# Altium PCB FMC_ADC_130M_16B_4CHv4.PcbDoc (part 7 of 8) (continued)
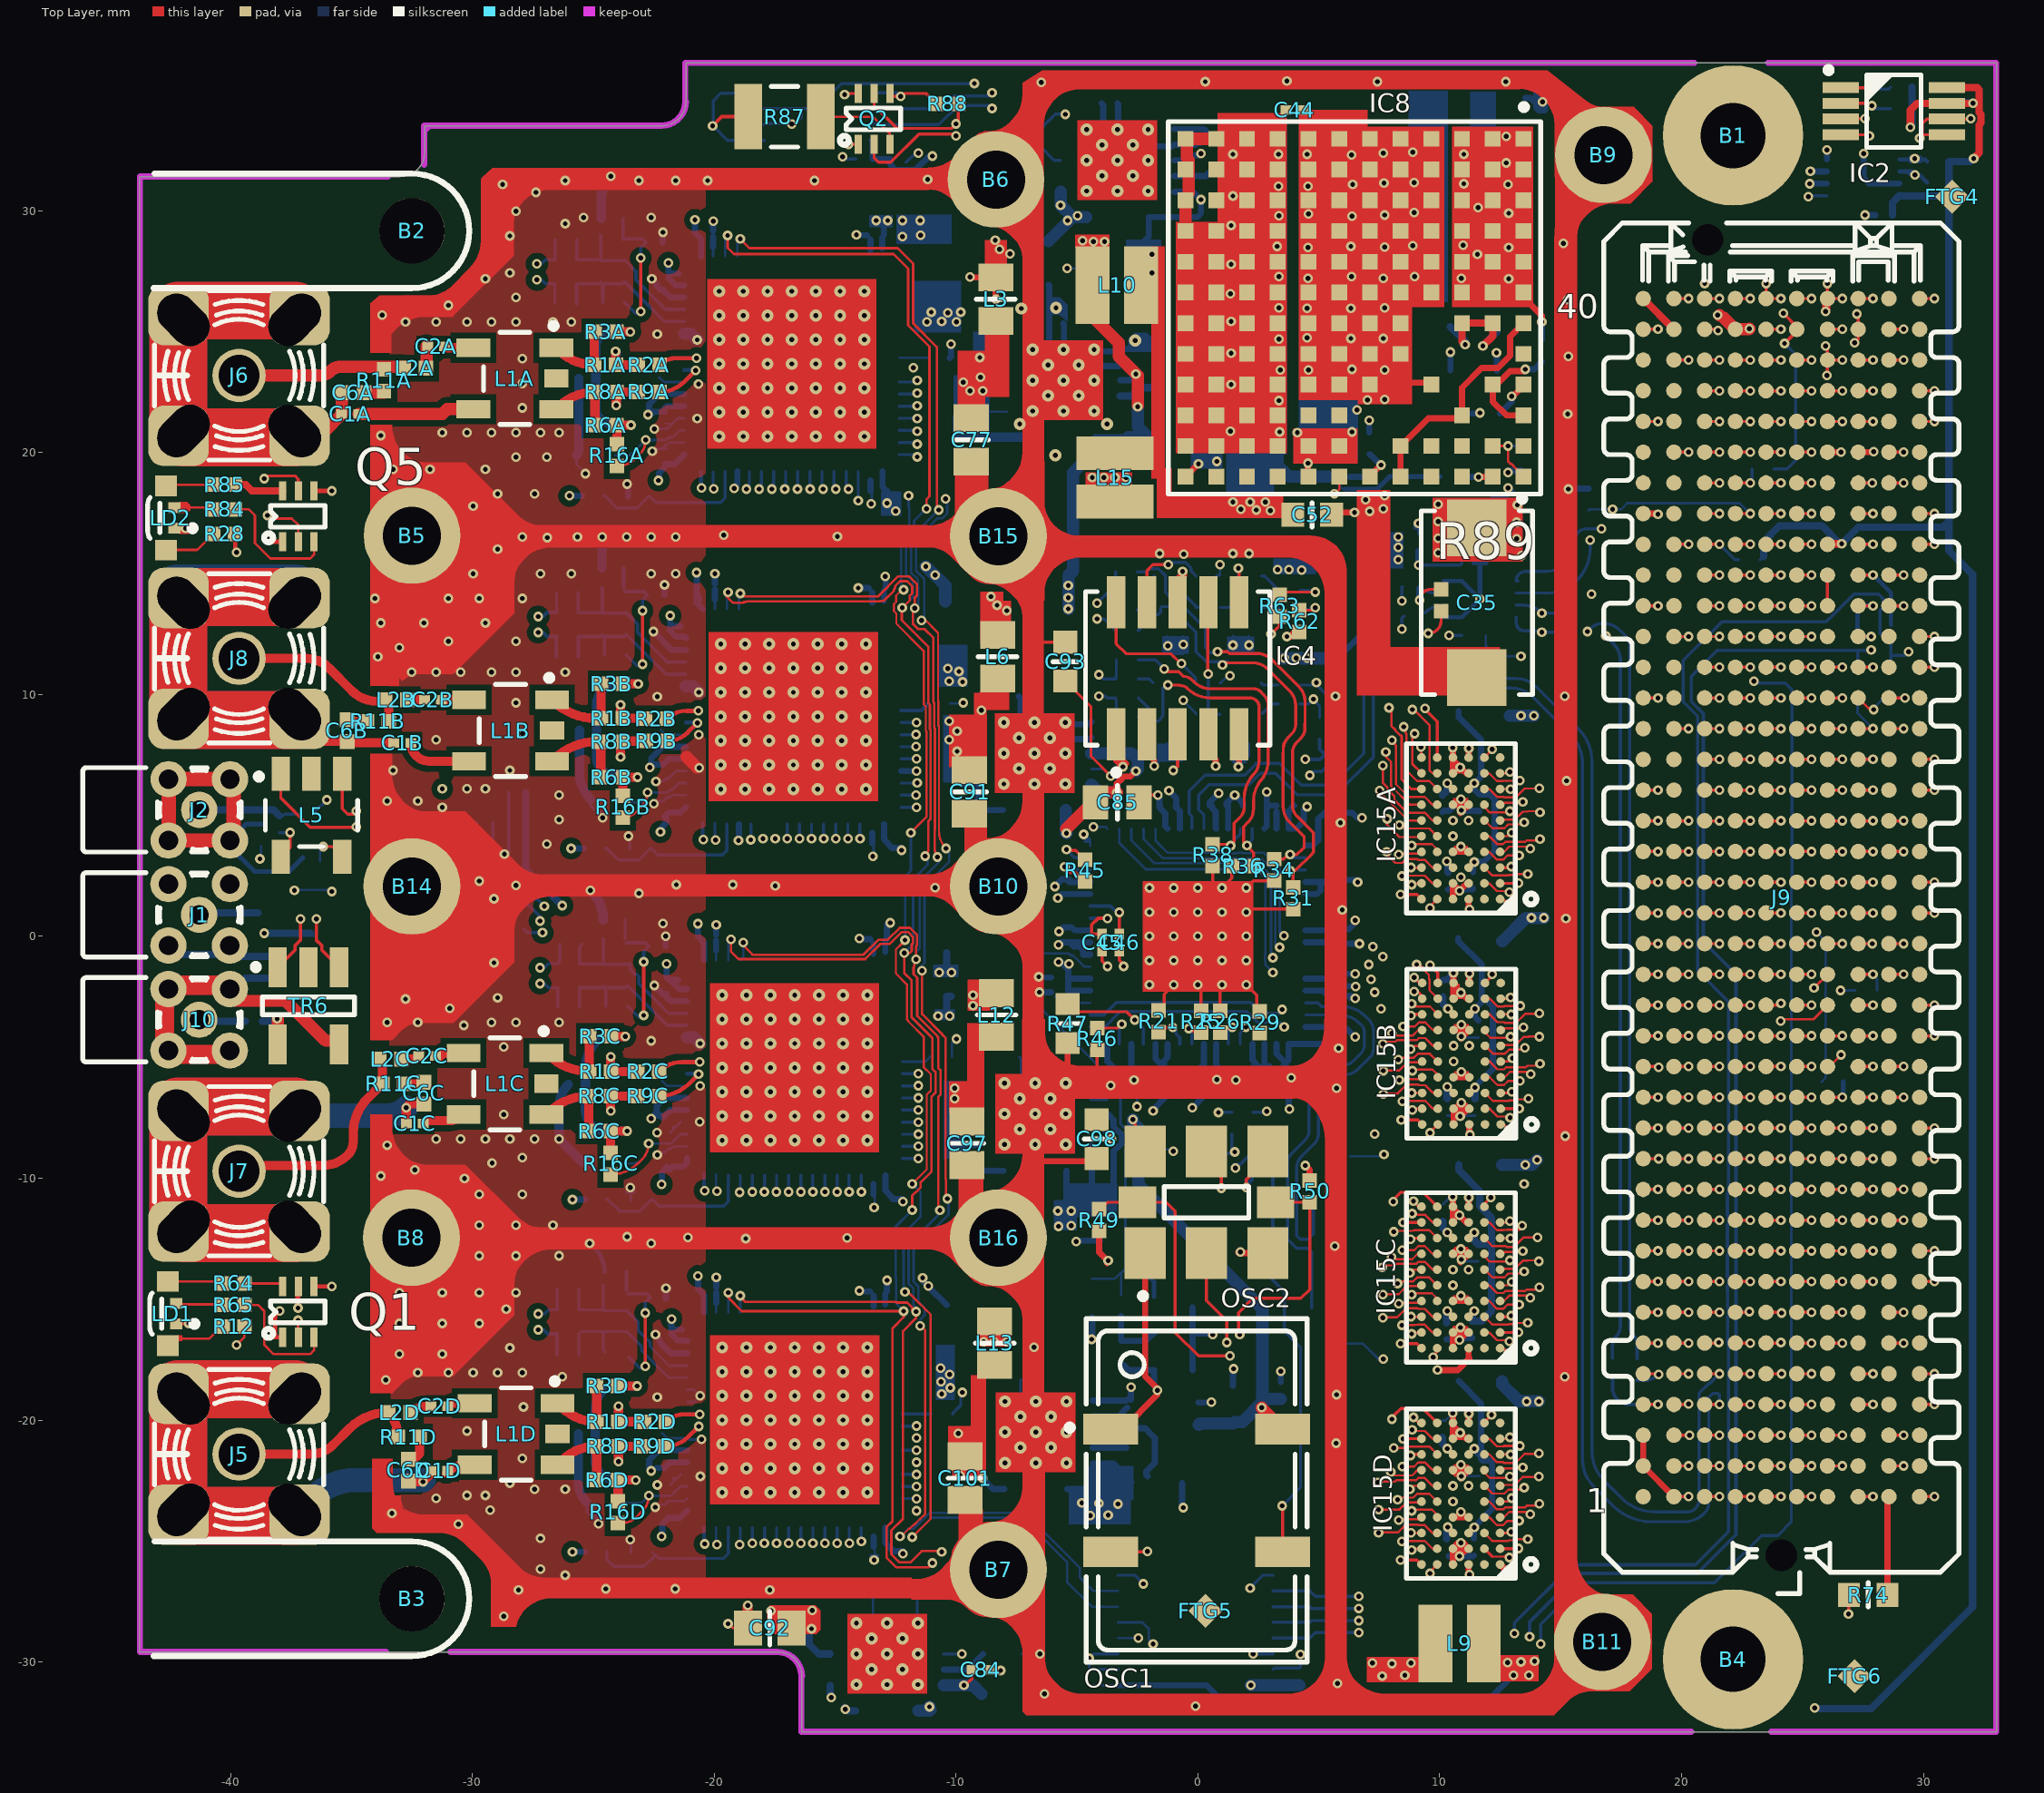
[diagram p0: Top Layer view]
## Nets (pads, with @x,y where several pads share a name; then routed paths per layer and width w, separated by ;. In a path a pad name is that pad's centre, name@x,y a point inside that pad or via, vN(x,y) a via of type N, cw(c..) or ccw(c..) an arc to the next point about the centre after c; other vN are vias at no path point) (continued)
RF_AUX_P: IC3.47 J3.1 | length 16.7
  Bottom Layer w0.127: IC3.47@4.45,-3.25 5.644,-3.25 cw(c5.644,-3.382) 5.738,-3.289 5.994,-3.289 cw(c5.994,-4.191) 6.632,-3.553 cw(c6.267,-4.029) 6.691,-3.605 6.785,-3.699 ; J3.1@4.698,-15.367 4.698,-13.055 4.547,-12.903 4.084,-12.903 3.708,-12.528 3.708,-9.357 cw(c4.223,-9.357) 3.859,-8.994 4.441,-8.411 ccw(c4.064,-8.034) 4.597,-8.034 4.597,-6.035 cw(c5.076,-6.035) 4.737,-5.697 4.938,-5.496 cw(c5.329,-5.888) 5.329,-5.334 5.988,-5.334 ccw(c5.988,-4.706) 6.432,-5.15 6.732,-4.85 ccw(c6.367,-4.485) 6.883,-4.485 6.883,-3.937 ccw(c6.546,-3.937) 6.785,-3.699
SCL: IC5.6 J9.c30 R42.2 R44.1 | length 22.1
  Top Layer w0.127: J9.c30@27.303,13.665 v1(27.915,13.665)
  L5 w0.178: v1@29.591,31.42 v1(29.65,31.479)
  L3 w0.178: v1(27.915,13.665) 27.915,14.173 28.6,14.859 28.6,15.261 28.753,15.414 28.753,30.988 29.185,31.42 v1@29.591,31.42 ; v1@29.642,31.42 v1@29.591,31.42 ; v1(29.65,31.479) v1@29.591,31.42
  Bottom Layer w0.178: R42.2@27.254,12.718 27.28,12.744 27.28,13.386 27.559,13.665 v1(27.915,13.665) ; IC5.6@29.008,31.619 v1@29.544,31.619 ; v1(29.65,31.479) 29.844,31.479 R44.1@30.157,31.166
SDA: IC5.5 J9.c31 R39.2 R43.1 | length 22.5
  Top Layer w0.127: J9.c31@27.303,14.935 v1(27.915,14.935)
  L3 w0.178: v1(27.915,14.935) 28.473,15.494 28.473,31.699 28.931,32.156 v1(29.642,32.156)
  Bottom Layer w0.178: v1(27.915,14.935) 28.651,14.199 R39.2@28.651,12.871 ; IC5.5@29.008,32.119 30.067,32.119 R43.1@30.157,32.029
SHDN_ON_OFF: IC1A.19 IC1B.19 IC1C.19 IC1D.19 IC14.4 | length 108.4
  Top Layer w0.102: v1@-19.482,14.043 -19.234,13.795 -18.802,13.795 -18.78,13.818 -18.694,13.818 -18.666,13.846 -13.144,13.846 -13.122,13.868 -12.984,13.868 -12.57,14.283 -12.57,14.353 -12.519,14.403 -12.519,14.472 -12.313,14.678 -12.021,14.678 -11.814,14.472 -11.814,14.18 -11.913,14.081 -11.913,13.899 v1(-12.225,13.586) ; v1@-19.482,14.148 -19.431,14.199 v1(-19.431,14.224) ; v1(-19.447,28.972) -19.447,28.464 -19.185,28.202 -12.581,28.202 -11.982,27.603 -11.982,25.262 -11.1,24.38 -11.1,18.186 -11.227,18.059 v1(-11.227,17.678) ; v1(-19.418,-14.732) -19.418,-14.943 -18.865,-15.497 v1(-12.17,-15.497) -12.17,-15.748 -12.624,-16.202 -12.624,-24.173 -12.875,-24.424 -12.875,-24.474 -12.878,-24.478 -12.878,-25.637 -12.875,-25.64 -12.875,-25.691 -12.483,-26.083 -12.398,-26.083 -12.395,-26.086 -11.151,-26.086 v1(-10.973,-25.908) ; v1(-19.304,-0.127) -19.304,-0.635 -18.999,-0.94 -13.756,-0.94 -13.134,-0.318 -12.744,-0.318 -12.251,0.175 -11.98,0.175 -11.789,-0.017 -11.789,-0.288 -11.834,-0.333 -11.834,-0.608 -11.913,-0.686 v1(-12.141,-0.686) -12.141,-1.524 -11.836,-1.829 -11.836,-3.353 -10.973,-4.216 -10.973,-5.492 -10.847,-5.618 -10.847,-6.459 -11.014,-6.625 -11.014,-9.716 -11.461,-10.163 -11.461,-10.383 -11.668,-10.59 -11.687,-10.59 -11.814,-10.716 v1(-11.814,-11.318) ; v1@-12.242,13.586 -12.242,13.067 -11.142,11.968 -11.142,9.632 -11.081,9.571 -11.081,8.555 -11.055,8.529 -11.055,4.857 -11.142,4.77 -11.142,3.644 cw(c-11.61,3.644) -11.149,3.567 cw(c-11.61,3.644) -11.174,3.474 cw(c-11.61,3.644) v1(-11.279,3.313)
  L5 w0.102: v1(-10.973,-25.908) -10.973,-26.365 -9.144,-28.194 -2.794,-28.194 -2.464,-28.524 v1(-2.464,-29.007)
  Bottom Layer w0.102: IC1A.19@-19.544,28.116 v1@-19.544,28.843 ; IC1B.19@-19.475,13.536 -19.475,14.141 -19.482,14.148 -19.431,14.199 v1(-19.431,14.224) ; IC1C.19@-19.423,-0.982 -19.423,-0.246 v1(-19.304,-0.127) ; IC1D.19@-19.42,-15.547 -19.42,-14.743 -19.431,-14.732 v1(-19.418,-14.732) ; v1(-12.225,13.586) -11.78,14.032 -11.78,14.669 -12.065,14.954 -12.065,16.569 -11.737,16.897 -11.737,17.169 v1(-11.227,17.678) ; v1(-12.17,-15.497) -12.481,-15.186 -12.481,-14.12 -12.5,-14.1 -12.497,-14.097 -12.497,-12.001 v1(-11.814,-11.318) ; v1(-12.141,-0.686) -12.141,-0.676 -11.775,-0.31 -11.775,2.35 -11.174,2.951 v1@-11.174,3.16 ; IC14.4@-3.302,-29.013 -2.47,-29.013 v1(-2.464,-29.007)
TDI: J9.d30 J9.d31 | length 1.3
  Top Layer w0.127: J9.d30@26.033,13.665 J9.d31@26.033,14.935
VADJ: C39.2 IC14.16 J9.e39 J9.f40 J9.g39 J9.h40 L14A.2 L14B.2 L14C.2 L14D.2 R78.1 | length 19.5
  Top Layer w0.127: J9.h40@20.953,26.365 v1(21.565,26.365) ; v1(23.493,26.987) J9.f40@23.493,26.365 v1(24.105,26.365) ; v1(24.206,25.756) 24.763,25.199 J9.e39@24.763,25.095 24.763,25.017 v1(24.257,24.511)
  Top Layer w0.508: v1@21.565,25.679 v1@21.588,25.656 ; 21.754,25.564 J9.g39@22.223,25.095 22.784,25.095 v1(22.809,25.121)
  Bottom Layer w0.127: R78.1@23.818,19.329 24.359,19.329 24.714,19.685 24.714,24.054 v1(24.257,24.511)
  Bottom Layer w0.508: v1(2.184,-30.963) 2.19,-30.957 C39.2@4.191,-30.957 ; L14D.2@12.584,-18.39 12.584,-18.528 13.284,-19.228 v1(14.097,-19.228) ; L14C.2@12.584,-9.449 13.818,-9.449 v1(14.021,-9.246) ; L14B.2@12.584,-0.203 12.598,-0.203 13.564,0.762 v1(14.3,0.762) ; L14A.2@12.903,9.119 v1(13.894,9.119)
  other v1: 13.589,-19.228 13.538,-9.449 13.792,0.762 13.36,9.119 21.488,25.679 20.953,26.987
VCMA: C12A.2 IC1A.3 R16A.2 | length 5
  Top Layer w0.102: R16A.2@-24.028,19.438 -24.021,19.438 ccw(c-24.021,20.541) -23.241,19.761 -23.086,19.916 ccw(c-23.693,20.523) v1(-22.835,20.523)
  Bottom Layer w0.102: C12A.2@-24.092,19.888 -23.47,19.888 v1(-22.835,20.523) -22.83,20.518 -22.009,20.518 -21.909,20.619 -21.819,20.619 -21.805,20.634 -21.72,20.634 -21.438,20.916 IC1A.3@-21.244,20.916
VCMB: C12B.2 IC1B.3 R16B.2 | length 6
  Top Layer w0.102: R16B.2@-23.774,4.909 ccw(c-23.774,5.663) -23.242,5.13 -23.005,5.367 ccw(c-23.592,5.955) v1(-22.761,5.955)
  Bottom Layer w0.102: C12B.2@-23.673,5.537 -22.938,5.537 -22.841,5.634 -22.841,5.638 -22.761,5.717 v1(-22.761,5.955) -22.757,5.95 -21.936,5.95 -21.847,6.039 -21.847,6.051 -21.746,6.051 -21.449,6.347 IC1B.3@-21.171,6.347 ; -22.408,5.939 -21.952,5.939 -21.851,6.04 -21.75,6.04 -21.454,6.336 IC1B.3@-21.175,6.336
VCMC: C12C.2 IC1C.3 R16C.2 | length 5.3
  Top Layer w0.102: R16C.2@-24.282,-9.848 ccw(c-24.282,-8.236) -23.143,-9.376 -22.976,-9.209 ccw(c-23.622,-8.563) v1(-22.709,-8.563)
  Bottom Layer w0.102: C12C.2@-23.584,-9.398 -23.432,-9.398 ccw(c-23.432,-8.754) -22.976,-9.209 ccw(c-23.622,-8.563) v1(-22.709,-8.563) -21.782,-8.563 -21.4,-8.182 IC1C.3@-21.123,-8.182 ; IC1C.3@-21.123,-8.171 IC1C.3@-21.118,-8.171
VCMD: C12D.2 IC1D.3 R16D.2 | length 5.4
  Top Layer w0.102: R16D.2@-23.978,-24.25 -23.776,-24.25 ccw(c-23.776,-23.494) -23.241,-24.028 -22.964,-23.751 ccw(c-23.587,-23.128) v1(-22.706,-23.128)
  Bottom Layer w0.102: C12D.2@-23.66,-23.419 -22.996,-23.419 v1(-22.706,-23.128) -21.787,-23.128 -21.702,-23.043 ; IC1D.3@-21.12,-22.747 -21.398,-22.747 -21.695,-23.043 -21.702,-23.043 ; IC1D.3@-21.116,-22.736 -21.394,-22.736 -21.702,-23.043
VCXO_OUT_N: C46.2 R52.1 R73.2 | length 13.2
  Top Layer w0.135: C46.2@-3.246,-0.604 -3.246,-0.994 -3.073,-1.167 v1(-3.073,-1.245)
  L5 w0.127: v1(-3.073,-1.245) -3.209,-1.38 -3.209,-1.812 -3.371,-1.974 ccw(c-2.393,-2.953) -3.777,-2.953 -3.777,-3.771 ccw(c-2.989,-3.771) -3.546,-4.328 ccw(c-2.712,-3.494) -2.712,-4.674 -2.421,-4.674 cw(c-2.421,-5.759) -1.653,-4.991 -1.387,-5.258 cw(c-2.22,-6.091) -1.042,-6.091 -1.042,-6.694 ccw(c0.397,-6.694) -0.62,-7.711 0.385,-8.717 ccw(c0.865,-8.237) 0.865,-8.915 v1(1.524,-8.915)
  Bottom Layer w0.135: R73.2@0.965,-8.973 1.466,-8.973 v1(1.524,-8.915) 1.397,-8.788 R52.1@1.397,-8.172
VCXO_OUT_P: C45.2 R30.1 R51.2 R72.2 | length 15.5
  Top Layer w0.135: C45.2@-3.958,-0.604 -3.958,-1.021 v1(-3.734,-1.245)
  L5 w0.127: v1(-3.734,-1.245) -3.598,-1.38 -3.598,-1.651 -3.758,-1.811 ccw(c-2.774,-2.795) -4.166,-2.795 -4.166,-3.637 ccw(c-2.666,-3.637) -3.726,-4.698 -3.709,-4.715 ccw(c-2.87,-3.875) -2.87,-5.063 -2.401,-5.063 cw(c-2.401,-5.739) -1.923,-5.261 -1.656,-5.527 cw(c-2.22,-6.091) -1.423,-6.091 -1.423,-6.871 ccw(c-0.003,-6.871) -1.007,-7.874 ; -1.007,-7.874 0.11,-8.992 ccw(c0.865,-8.237) 0.865,-9.304 1.175,-9.304 1.308,-9.437 1.512,-9.437 1.549,-9.474 v1(1.549,-9.576)
  Bottom Layer w0.135: v1(1.549,-9.576) 1.499,-9.525 1.499,-9.437 1.74,-9.437 R72.2@2.204,-8.973 ; R30.1@2.286,-8.172 2.286,-8.891 R72.2@2.204,-8.973 ; R51.2@3.099,-8.999 3.073,-8.973 R72.2@2.235,-8.973 R72.2@2.204,-8.973
VIO_B_M2C: J9.j39 J9.k40 | length 1.8
  Top Layer w0.305: J9.k40@18.413,26.365 J9.j39@19.683,25.095
VREF_A_M2C: J9.h1 | length 0.6
  Top Layer w0.127: J9.h1@20.953,-23.165 v1(21.565,-23.165)
pads on no net: B2.1 B3.1 FTG1.1 FTG2.1 FTG3.1 FTG4.1 FTG5.1 FTG6.1 IC1A.21 IC1A.22 IC1A.23 IC1A.24 IC1A.25 IC1A.26 IC1A.27 IC1A.28 IC1A.29 IC1A.30 IC1A.33 IC1A.34 IC1A.35 IC1A.36 IC1A.37 IC1A.38 IC1A.39 IC1B.21 IC1B.22 IC1B.23 IC1B.24 IC1B.25 IC1B.26 IC1B.27 IC1B.28 IC1B.29 IC1B.30 IC1B.33 IC1B.34 IC1B.35 IC1B.36 IC1B.37 IC1B.38 IC1B.39 IC1C.21 IC1C.22 IC1C.23 IC1C.24 IC1C.25 IC1C.26 IC1C.27 IC1C.28 IC1C.29 IC1C.30 IC1C.33 IC1C.34 IC1C.35 IC1C.36 IC1C.37 IC1C.38 IC1C.39 IC1D.21 IC1D.22 IC1D.23 IC1D.24 IC1D.25 IC1D.26 IC1D.27 IC1D.28 IC1D.29 IC1D.30 IC1D.33 IC1D.34 IC1D.35 IC1D.36 IC1D.37 IC1D.38 IC1D.39 IC3.38 IC3.39 IC3.42 IC3.43 IC6.2 IC6.4 IC6.5 IC6.6 IC6.9 IC6.10 IC6.17 IC6.18 IC6.19 IC7.2 IC7.4 IC7.5 IC7.6 IC7.9 IC7.10 IC7.17 IC7.18 IC7.19 IC8.A8 IC8.A11 IC8.C11 IC8.C12 IC8.D11 IC8.D12 IC8.G10 IC8.H10 IC8.J12 IC8.K12 IC8.L12 IC9.2 IC9.4 IC9.5 IC9.6 IC9.9 IC9.10 IC9.17 IC9.18 IC9.19 IC10.2 IC10.4 IC10.5 IC10.6 IC10.8 IC10.9 IC10.11 IC10.12 IC10.17 IC10.18 IC10.19 IC11.2 IC11.4 IC11.5 IC11.6 IC11.9 IC11.10 IC11.17 IC11.18 IC11.19 IC12.2 IC12.4 IC12.5 IC12.6 IC12.9 IC12.10 IC12.17 IC12.18 IC12.19 IC15A.A2 IC15A.K1 IC15B.A2 IC15B.K1 IC15C.A2 IC15C.K1 IC15D.A2 IC15D.K1 IC16.5 IC16.7 IC16.16 J9.1 J9.2 J9.a2 J9.a3 J9.a6 J9.a7 J9.a10 J9.a11 J9.a14 J9.a15 J9.a18 J9.a19 J9.a22 J9.a23 J9.a26 J9.a27 J9.a30 J9.a31 J9.a34 J9.a35 J9.a38 J9.a39 J9.b4 J9.b5 J9.b8 J9.b9 J9.b12 J9.b13 J9.b16 J9.b17 J9.b20 J9.b21 J9.b24 J9.b25 J9.b28 J9.b29 J9.b32 J9.b33 J9.b36 J9.b37 J9.b40 J9.c2 J9.c3 J9.c6 J9.c7 J9.d1 J9.d4 J9.d5 J9.d29 J9.d33 J9.d34 J9.k1 L1A.2 L1B.2 L1C.2 L1D.2 L5.2 TR2.2 TR2.7 TR3.2 TR3.7 TR4.2 TR4.7 TR5.2 TR5.7 TR6.2

## Polygon pours and split planes (outlines as drawn)
GND on L3 "gnd L3" (solid, pour order 8): 22 vertices, not listed, extent -19.69,-32.625 32.694,35.773
GND on L3 "Top Layer-No Net" (hatched 90Degree grid 0.178 track 0.203, remove dead copper, pour order 2): 39 vertices, not listed, extent -43.384,-27.411 -20.407,31.8
no net on Bottom Overlay "Top Layer-No Net" (solid): -43.256,-29.362 -43.383,-29.235 -43.383,31.445 -32.454,31.445 -31.997,31.902 -31.997,33.514 -27.088,33.514 -27.076,33.503 -27.026,33.452 -27.026,15.9 -27.026,-29.616 -27.076,-29.667 -27.483,-29.261 -43.383,-29.261
no net on Bottom Overlay "Top Layer-No Net" (solid): 20.295,-8.954 26.187,-8.954 26.187,-16.167 20.295,-16.167
no net on Bottom Overlay "Top Layer-No Net" (solid): 33.003,36.114 14.178,36.114 14.046,36.246 14.046,-32.918 32.971,-32.918 33.003,-32.886
GND on Top Layer "Top Layer-No Net" (solid, pour order 9): 43 vertices, not listed, extent -33.502,-27.048 -20.362,31.349
GND on GND1 (split plane): 125 vertices, not listed, extent -43.246,-32.38 32.518,35.599
GND on GND2 (split plane): 123 vertices, not listed, extent -43.246,-32.38 32.518,35.599
GND on GND3 (split plane): 122 vertices, not listed, extent -43.246,-32.38 32.518,35.599
P12V0 on POWER (split plane): 68 vertices, not listed, extent 9.806,14.988 29.716,34.364
P4V0 on POWER (split plane): 20 vertices, not listed, extent -2.995,16.029 9.599,34.364
P3V3_CLK on POWER (split plane): 34 vertices, not listed, extent 4.777,10.687 14.044,18.541
NetC78_2 on POWER (split plane): 48 vertices, not listed, extent -10.598,14.353 4.57,34.364
P4V0_1 on POWER (split plane): 17 vertices, not listed, extent -6.323,2.619 -2.136,15.314
VADJ on POWER (split plane): 54 vertices, not listed, extent 1.094,-31.24 24.636,27.455
P4V0_2 on POWER (split plane): 133 vertices, not listed, extent -7.186,-24.842 11.885,20.801
NetC84_2 on POWER (split plane): 23 vertices, not listed, extent -13.155,-32.38 11.537,-28.958
P3V3_CLK on POWER (split plane): 61 vertices, not listed, extent -6.323,-21.385 7.11,14.12
NetC19D_2 on POWER (split plane): -10.571,-14.442 -10.571,-15.603 -11.785,-16.818 -11.808,-16.851 -11.815,-16.891 -11.815,-26.373 -12.017,-26.574 -13.21,-26.574 -13.488,-26.297 -13.488,-15.85 -13.488,-13.911 -12.99,-13.413 -11.6,-13.413
P3V3_ADC2 on POWER (split plane): 56 vertices, not listed, extent -26.193,2.771 -7.597,17.118
P3V3_ADC1 on POWER (split plane): 55 vertices, not listed, extent -26.262,17.35 -7.393,31.697
NetC19C_2 on POWER (split plane): -9.832,-0.037 -9.832,-1.465 -11.788,-3.421 -11.81,-3.455 -11.818,-3.494 -11.818,-11.747 -13.491,-11.747 -13.491,-1.285 -13.491,0.654 -12.992,1.152 -11.021,1.152
NetC19A_2 on POWER (split plane): -10.695,29.802 -10.695,28.059 -11.91,26.845 -11.932,26.811 -11.94,26.772 -11.94,17.35 -13.612,17.35 -13.612,27.813 -13.612,29.751 -13.114,30.249 -11.143,30.249
NetC19B_2 on POWER (split plane): -10.626,15.222 -10.626,13.48 -11.841,12.265 -11.863,12.232 -11.871,12.192 -11.871,2.807 -13.543,2.807 -13.543,13.233 -13.543,15.172 -13.045,15.67 -11.074,15.67
P1V8 on POWER (split plane): 239 vertices, not listed, extent -18.159,-32.38 11.885,27.844
P3V3 on POWER (split plane): 170 vertices, not listed, extent -43.246,-32.38 32.518,35.599
P3V3_ADC3 on POWER (split plane): 51 vertices, not listed, extent -26.14,-11.747 -7.246,2.6
GND on POWER (split plane): 134 vertices, not listed, extent -43.246,-29.08 -18.366,31.836
P3V3_ADC4 on POWER (split plane): 49 vertices, not listed, extent -26.137,-26.16 -7.47,-11.965

## Keep-outs
Keep-Out Layer:
  lines w0.254: -33.573,-29.586 -43.747,-29.586 -43.747,31.414 -33.483,31.414 ; -31.997,31.902 -31.997,33.514 -22.197,33.514 ccw(c-22.197,34.514) -21.197,34.514 -21.197,36.114 20.529,36.114 ; -31.972,33.306 -31.768,33.51 -22.172,33.51 ccw(c-22.172,34.51) -21.172,34.51 ; -30.906,-29.586 -17.397,-29.586 cw(c-17.397,-30.586) -16.397,-30.586 -16.397,-32.886 20.402,-32.886 ; -17.372,-29.59 cw(c-17.372,-30.59) -16.372,-30.59 ; 23.577,36.114 33.003,36.114 33.003,-32.886 23.704,-32.886

## Other copper
Top Layer:
  rectangle net GND: 6.562,11.834 7.952,18.458
  rectangle net P4V0: -1.092,17.297 3.531,18.212
  rectangle net P4V0: -1.702,17.297 -1.092,19.355
  rectangle net P4V0: -1.93,18.923 -1.372,28.524
  rectangle net GND: -9.652,3.378 -8.712,4.877
  rectangle net GND: -4.978,30.429 -1.676,33.731
  rectangle net GND: -7.214,21.336 -3.912,24.638
  rectangle net GND: -8.407,5.918 -5.105,9.22
  rectangle net GND: -8.382,-8.992 -5.08,-5.69
  rectangle net GND: -8.357,-22.149 -5.055,-18.847
  rectangle net GND: -14.503,-31.318 -11.201,-28.016
  rectangle net GND: -20.17,-23.497 -13.17,-16.497
  rectangle net GND: -20.173,-8.932 -13.173,-1.932
  rectangle net GND: -20.225,5.586 -13.225,12.586
  rectangle net GND: -20.294,20.166 -13.294,27.166
  rectangle net GND: -10.048,17.323 -8.661,19.473
  rectangle net NetC91_2: -9.256,8.839 -8.738,10.069
  rectangle net P3V3_ADC2: -8.992,13.818 -8.052,14.249
  rectangle net P3V3_ADC2: -8.992,12.09 -7.722,13.868
  rectangle net P3V3_ADC3: -9.525,-3.073 -8.306,-1.778
  rectangle net NetC97_2: -10.287,-7.315 -9.373,-5.994
  rectangle net NetC97_2: -9.55,-7.315 -8.839,-3.581
  rectangle net P3V3: 11.735,-30.81 14.097,-29.718
  rectangle net NetC84_2: 6.985,-30.836 10.439,-29.794
  rectangle net P4V0_1: -5.08,28.448 -3.658,29.007
  rectangle net GND: -9.906,-25.07 -8.89,-23.673
  rectangle net NetC101_2: -10.16,-22.352 -9.296,-21.971
  rectangle net NetC101_2: -10.338,-21.412 -9.347,-20.244
  rectangle net NetC101_2: -9.398,-22.301 -8.763,-18.136
  rectangle net P3V3_ADC4: -9.119,-16.967 -7.696,-16.408
  rectangle net GND: 6.566,9.954 12.502,11.964
  rectangle net P12V0: 9.703,15.494 13.437,18.136
  rectangle net NetC77_2: -8.814,22.301 -7.798,25.324
  rectangle net NetC77_2: -9.931,21.565 -8.788,24.206
  rectangle net P3V3_ADC1: -8.814,27.737 -7.899,28.778
  rectangle net NetC91_2: -10.287,6.985 -8.719,9.169
  rectangle net NetC91_2: -8.948,9.347 -7.798,10.744
  rectangle net P4V0: -0.914,19.964 3.683,29.54
  rectangle net P4V0: 0.813,29.54 3.683,34.036
  rectangle net GND: 6.604,21.996 8.865,33.477
  rectangle net GND: 8.865,26.01 10.185,33.477
  rectangle net P12V0: 10.516,26.01 13.868,33.477
  rectangle net P4V0_2: -4.648,18.669 -2.718,19.177
  rectangle net GND: -2.286,-2.286 2.286,2.286
  rectangle net GND: -9.906,-11.557 -8.87,-9.398
  rectangle net GND: 4.166,22.174 7.01,34.163
  rectangle net GND: 3.937,19.533 6.604,21.006
  rectangle net GND: 10.683,-24.009 11.064,-23.776
  rectangle net GND: 10.933,-22.023 11.206,-21.834
  rectangle net GND: 10.544,-20.829 10.997,-20.519
  rectangle net GND: 10.536,-15.087 11.211,-14.835
  rectangle net GND: 10.606,-5.827 11.198,-5.582
  rectangle net GND: 10.588,-3.86 11.21,-3.617
  rectangle net GND: 10.559,-2.576 10.835,-1.96
  rectangle net GND: 10.59,3.459 11.167,3.743
  rectangle net GND: 10.549,5.444 11.178,5.712
  region net ACTIVE4_CLK_N: -0.324,-3.678 -0.32,-3.681 -0.128,-3.681 -0.128,-3.768 -0.185,-3.825 -0.186,-3.824 -0.275,-3.824
  region net P3V3: 26.143,26.192 26.143,25.896 26.059,25.811 26.053,25.817 25.897,25.817 25.82,25.894 25.82,26.16
  region net B_CLKOUTAD: 12.519,-26.026 12.66,-26.026 12.723,-26.089 12.708,-26.104 12.708,-26.254 12.679,-26.283 12.63,-26.283 12.476,-26.129
  region net ACTIVE3_CLK_P: 4.041,12.575 3.974,12.508 3.974,12.359 3.973,12.359 3.894,12.28 3.893,12.281 3.782,12.281 3.782,12.481 3.825,12.524
  region net GND: 10.552,-25.526 11,-25.526 11.218,-25.308 11.218,-25.142 11.033,-24.957 10.712,-24.957 10.534,-25.135 10.534,-25.344
  region net GND: 10.946,-21.836 10.954,-21.844 10.954,-22.32 10.867,-22.32 10.792,-22.395 10.735,-22.338 10.61,-22.338 10.492,-22.22 10.492,-21.943 10.608,-21.826 10.894,-21.826
  region net GND: 10.561,-20.081 10.582,-20.081 11.181,-20.68 11.181,-20.773 10.561,-20.773 10.544,-20.757
  region net GND: 10.531,-16.363 10.531,-16.151 10.577,-16.105 11.11,-16.105 11.194,-16.189 11.194,-16.433 11.007,-16.62 10.613,-16.62
  region net GND: 10.544,-13.118 10.544,-12.93 10.623,-12.851 11.129,-12.851 11.21,-12.933 11.21,-13.143
  region net GND: 10.75,-2.579 10.979,-2.579 11.066,-2.492 11.066,-2.32 10.825,-2.08 10.697,-2.08 10.697,-2.547 10.717,-2.568
  region net GND: 10.584,-7.022 10.584,-7.01 10.725,-6.869 10.726,-6.871 11.115,-6.871 11.235,-6.991 11.235,-7.169 11.227,-7.169 11.036,-7.36 10.684,-7.36
  region net GND: 10.577,-11.245 10.721,-11.245 10.836,-11.36 10.836,-11.617 10.825,-11.617 10.687,-11.755 10.684,-11.752 10.6,-11.752
  region net GND: 10.592,-20.252 10.602,-20.242 10.721,-20.242 10.857,-20.378 10.743,-20.493 10.607,-20.493
  region net NetC91_2: -8.818,10.171 -8.96,10.029 -9.019,10.029 -9.019,10.088 -8.999,10.108
  region net P3V3: -42.13,17.098 -41.759,17.098 -41.652,16.991 -41.652,16.737 -41.741,16.647 -42.115,16.647
  region net NetLD2_3: -42.106,17.95 -42.105,17.949 -41.788,17.949 -41.671,17.832 -41.671,17.614 -41.79,17.496 -42.116,17.496 -42.139,17.519
  region net GND: -18.42,-27.657 -18.42,-27.962 -18.443,-27.985 -18.445,-27.983 -18.735,-27.983 -18.817,-27.901 -18.817,-27.652
  region net P1V8: -17.649,-27.656 -17.643,-27.662 -15.812,-27.662 -15.609,-27.865 -15.609,-27.866 -15.609,-28.672 -15.786,-28.85 -17.557,-28.85 -17.8,-28.606 -17.8,-27.99
  region net GND: -0.571,15.088 -0.463,14.98 -0.463,14.868 -0.755,14.868 -0.807,14.921
  region net GND: 10.553,6.753 10.56,6.746 10.918,6.746 10.933,6.76 10.93,6.764 10.93,7.148 10.852,7.148 10.66,7.341 10.575,7.341 10.575,6.772 10.557,6.754
  region net NetLD1_1: -42.205,-16.495 -42.203,-16.497 -42.009,-16.497 -42.009,-16.717 -42.011,-16.719 -42.2,-16.719
  region net GND: 14.753,28.955 14.746,28.948 14.746,-29.784 cw(c13.185,-29.784) 14.289,-30.888 cw(c13.257,-29.856) 13.257,-31.315 7.983,-31.315 cw(c7.932,-31.362) 8.001,-31.362 8.001,-32.207 14.687,-32.207 14.691,-32.211 15.254,-31.648 cw(c16.309,-32.704) 16.309,-31.211 17.853,-31.211 18.778,-30.286 18.778,-28.011 17.983,-27.216 17.018,-27.216 cw(c17.018,-26.051) 16.194,-26.875 16.15,-26.831 cw(c17.275,-25.706) 15.684,-25.706 15.684,29.097 15.681,29.1 14.76,29.1 14.753,29.107
  region net GND: -3.389,15.664 3.69,15.664 cw(c3.69,14.038) 4.84,15.188 cw(c3.859,14.207) 5.247,14.207 5.247,-3.43 5.248,-3.429 6.147,-3.429 6.147,15.119 ccw(c4.721,15.119) 5.729,16.128 ccw(c4.687,15.085) 4.687,16.559 -3.377,16.559 -3.378,16.561 -3.378,15.672
  region net GND: -31.813,26.489 ccw(c-31.813,27.855) -30.847,26.889 -30.142,27.594 ccw(c-31.337,28.789) -29.647,28.789 -29.647,31.243 cw(c-29.476,31.243) -29.597,31.364 -29.407,31.364 ccw(c-29.407,31.449) -29.347,31.389 cw(c-29.588,31.148) -29.247,31.148 -29.247,28.472 cw(c-29.93,28.472) -29.447,27.989 -30.752,26.684 cw(c-31.947,27.879) -31.947,26.189 -32.747,26.189 -32.747,26.414
  region net GND: 14.753,28.955 14.757,29.134 14.783,29.413 14.757,33.325 14.757,33.563 ccw(c13.37,33.563) 14.351,34.544 14.264,34.631 ccw(c13.31,33.678) 13.31,35.027 -4.876,35.027 ccw(c-4.876,33.552) -5.918,34.595 -5.944,34.569 ccw(c-4.904,33.528) -6.375,33.528 -7.188,33.528 -7.188,34.711 ccw(c-7.275,34.711) -7.214,34.773 cw(c-7.152,34.834) -7.239,34.834 -7.239,35.281 -6.447,35.789 14.453,35.789 15.94,34.631 ccw(c16.764,35.455) 16.764,34.29 18.034,34.29 ccw(c18.095,34.29) 18.052,34.247 18.796,33.503 18.796,31.242 cw(c18.735,31.242) 18.778,31.199 17.882,30.302 17.207,30.302 ccw(c17.207,28.741) 16.104,29.845 15.995,29.736 ccw(c16.776,28.956) 15.672,28.956
  region net GND: -3.378,15.672 -4.778,15.672 ccw(c-4.778,14.024) -5.944,15.189 ccw(c-4.962,14.208) -6.35,14.208 -6.35,13.894 -6.756,13.894 -6.756,19.634 -6.35,19.634 -6.35,17.974 ccw(c-4.962,17.974) -5.944,16.993 ccw(c-4.901,18.035) -4.901,16.561 -3.378,16.561
  region net GND: 5.258,-8.407 ccw(c3.296,-8.407) 4.683,-7.02 4.648,-6.985 ccw(c3.974,-7.66) 3.974,-6.706 3.124,-6.706 3.124,-5.359 3.83,-5.359 ccw(c3.83,-4.059) 4.75,-4.978 ccw(c3.585,-3.813) 5.232,-3.813 5.232,-3.429 6.147,-3.429 6.147,-8.407
  region net GND: 3.734,-31.318 ccw(c3.734,-29.785) 4.818,-30.869 4.826,-30.861 ccw(c3.784,-29.819) 5.258,-29.819 5.258,-8.407 6.147,-8.407 6.147,-29.829 ccw(c7.534,-29.829) 6.553,-30.81 ccw(c7.78,-29.584) 7.78,-31.318 7.976,-31.318 cw(c7.914,-31.38) 8.001,-31.38 8.001,-32.207 3.734,-32.207
  region net GND: -7.264,-3.429 -6.325,-3.429 -6.325,-4.018 ccw(c-5.11,-4.018) -5.969,-4.877 ccw(c-4.804,-3.712) -4.804,-5.359 3.124,-5.359 3.124,-6.706 -4.922,-6.706 ccw(c-4.922,-8.006) -5.842,-7.087 -5.947,-7.192 ccw(c-5.037,-8.103) -6.325,-8.103 -6.325,-8.661 -7.264,-8.661
  region net GND: -7.253,-20.136 -7.253,-22.767 cw(c-8.678,-22.767) -7.671,-23.774 -7.797,-23.901 cw(c-8.534,-23.164) -8.534,-24.206 ccw(c-8.534,-25.678) -9.575,-24.637 -9.906,-24.968 -10.084,-25.222 -10.16,-25.375 -10.16,-25.382 cw(c-10.94,-25.382) -10.389,-25.933 -10.628,-26.173 cw(c-11.582,-25.219) -11.582,-26.568 -11.84,-26.568 -11.847,-26.561 -11.847,-27.411 -10.47,-27.411 cw(c-10.47,-28.784) -9.5,-27.813 ccw(c-8.702,-27.016) -8.702,-28.143 -8.611,-28.143 cw(c-8.611,-29.37) -7.743,-28.502 -7.722,-28.524 cw(c-8.887,-29.689) -7.239,-29.689 -7.239,-32.055 -7.087,-32.207 3.734,-32.207 3.734,-31.318 -4.835,-31.318 cw(c-4.835,-29.931) -5.817,-30.912 -5.965,-30.763 cw(c-5.098,-29.896) -6.325,-29.896 -6.325,-20.117 -7.207,-20.117 ccw(c-7.207,-20.182)
  region net GND: -11.156,31.782 -11.103,31.782 ccw(c-11.103,33.241) -10.072,32.209 -9.177,33.104 cw(c-8.753,32.681) -8.753,33.28 -8.688,33.28 ccw(c-8.688,34.575) -7.772,33.659 -7.689,33.742 ccw(c-8.756,34.809) -7.247,34.809 -7.228,34.817 -6.378,34.817 -6.375,23.012 -7.239,23.012 -7.253,28.005 ccw(c-8.426,28.005) -7.597,28.834 -7.751,28.988 ccw(c-8.647,28.092) -8.647,29.359 cw(c-8.647,30.378) -9.368,29.658 -10.191,30.481 ccw(c-11.153,29.519) -11.153,30.88
  region net GND: -11.156,-12.038 -11.103,-12.038 ccw(c-11.103,-10.58) -10.072,-11.611 -9.177,-10.716 cw(c-8.753,-11.139) -8.753,-10.54 -8.688,-10.54 ccw(c-8.688,-9.245) -7.772,-10.161 -7.689,-10.078 ccw(c-8.756,-9.011) -7.247,-9.011 -7.247,-6.011 -6.372,-6.011 -6.372,-20.136 -7.253,-20.136 -7.253,-15.815 ccw(c-8.426,-15.815) -7.597,-14.986 -7.751,-14.832 ccw(c-8.647,-15.728) -8.647,-14.461 cw(c-8.647,-13.442) -9.368,-14.162 -10.191,-13.339 ccw(c-11.153,-14.301) -11.153,-12.94
  region net GND: -11.156,2.562 -11.103,2.562 ccw(c-11.103,4.02) -10.072,2.989 -9.177,3.884 cw(c-8.753,3.461) -8.753,4.06 -8.688,4.06 ccw(c-8.688,5.355) -7.772,4.439 -7.689,4.522 ccw(c-8.756,5.589) -7.247,5.589 -7.247,8.589 -6.372,8.589 -6.375,-6.02 -7.239,-6.02 -7.253,-1.215 ccw(c-8.426,-1.215) -7.597,-0.386 -7.751,-0.232 ccw(c-8.647,-1.128) -8.647,0.139 cw(c-8.647,1.158) -9.368,0.438 -10.191,1.261 ccw(c-11.153,0.299) -11.153,1.66
  region net GND: -11.156,16.987 -11.103,16.987 ccw(c-11.103,18.445) -10.072,17.414 -9.177,18.309 cw(c-8.753,17.886) -8.753,18.485 -8.688,18.485 ccw(c-8.688,19.78) -7.772,18.864 -7.689,18.947 ccw(c-8.756,20.014) -7.247,20.014 -7.247,23.014 -6.372,23.014 -6.375,8.585 -7.239,8.585 -7.253,13.209 ccw(c-8.426,13.209) -7.597,14.039 -7.751,14.193 ccw(c-8.647,13.297) -8.647,14.564 cw(c-8.647,15.583) -9.368,14.863 -10.191,15.686 ccw(c-11.153,14.724) -11.153,16.085
  region net GND: -34.222,24.13 -34.222,26.164 -33.847,26.489 -31.247,26.489 -29.597,28.064 -29.597,31.364 -29.172,31.764 -11.144,31.764 -11.147,30.839 -26.697,30.864 -26.786,30.864 ccw(c-26.786,29.328) -27.872,30.414 ccw(c-26.846,29.388) -28.297,29.388 -28.297,28.139 -30.779,25.657 ccw(c-30.737,25.614) -30.797,25.614 -31.94,25.614 ccw(c-31.94,23.907) -33.147,25.114 -33.359,24.902 -33.359,24.13
  region net GND: -34.15,-21.6 -33.303,-21.6 -33.294,-22.579 -33.264,-22.971 -33.2,-23.125 -32.963,-23.112 ccw(c-31.696,-23.112) -32.592,-24.008 -32.817,-23.772 -32.792,-23.77 -33.001,-23.507 ccw(c-32.035,-22.542) -32.035,-23.907 -30.246,-23.893 -30.246,-23.898 -28.088,-26.056 ccw(c-26.971,-24.939) -26.971,-26.518 -11.85,-26.518 -11.85,-27.368 -26.749,-27.368 ccw(c-26.749,-28.819) -27.775,-27.793 -27.932,-27.951 ccw(c-27.89,-27.993) -27.95,-27.993 -28.125,-28.268 -28.2,-28.543 -29.225,-28.543 -29.225,-26.768 ccw(c-30.613,-26.768) -29.632,-25.787 -30.35,-25.068 -30.65,-24.843 -30.825,-24.768 -31,-24.718 -31.275,-24.668 -33.95,-24.668 -34.15,-24.468
  region net GND: -33.322,-7.889 ccw(c-31.7,-7.889) -32.847,-9.036 ccw(c-31.871,-8.06) -31.871,-9.44 -30.293,-9.44 -28.086,-11.647 ccw(c-27.147,-10.708) -27.147,-12.036 -11.158,-12.036 -11.153,-12.04 -11.153,-12.94 -26.711,-12.94 ccw(c-26.711,-14.547) -27.847,-13.411 -27.883,-13.447 ccw(c-26.944,-14.386) -28.272,-14.386 -28.272,-15.598 ccw(c-28.209,-15.598) -28.253,-15.642 -30.772,-18.161 cw(c-30.832,-18.101) -30.832,-18.186 -32.198,-18.186 ccw(c-32.198,-19.21) -32.922,-18.486 -33.27,-18.834 ccw(c-33.203,-18.9) -33.297,-18.9 -33.347,-18.9 -33.354,-18.893 -34.215,-18.893 -34.222,-18.886 -34.222,-7.366 -33.322,-7.366
  region net GND: -33.322,6.711 ccw(c-31.7,6.711) -32.847,5.564 ccw(c-31.871,6.54) -31.871,5.16 -30.293,5.16 -28.086,2.953 ccw(c-27.147,3.892) -27.147,2.564 -11.158,2.564 -11.153,2.56 -11.153,1.66 -26.711,1.66 ccw(c-26.711,0.053) -27.847,1.189 -27.883,1.153 ccw(c-26.944,0.214) -28.272,0.214 -28.272,-0.998 ccw(c-28.209,-0.998) -28.253,-1.042 -30.772,-3.561 cw(c-30.832,-3.501) -30.832,-3.586 -32.198,-3.586 ccw(c-32.198,-4.61) -32.922,-3.886 -33.27,-4.234 ccw(c-33.203,-4.3) -33.297,-4.3 -33.347,-4.3 -33.354,-4.293 -34.215,-4.293 -34.222,-4.286 -34.222,7.55 -33.322,7.55
  region net GND: -33.322,21.136 ccw(c-31.7,21.136) -32.847,19.989 ccw(c-31.871,20.965) -31.871,19.585 -30.293,19.585 -28.086,17.378 ccw(c-27.147,18.317) -27.147,16.989 -11.158,16.989 -11.153,16.985 -11.153,16.085 -26.711,16.085 ccw(c-26.711,14.478) -27.847,15.614 -27.883,15.578 ccw(c-26.944,14.639) -28.272,14.639 -28.272,13.427 ccw(c-28.209,13.427) -28.253,13.383 -30.772,10.864 cw(c-30.832,10.924) -30.832,10.839 -32.198,10.839 ccw(c-32.198,9.815) -32.922,10.539 -33,10.698 ccw(c-32.933,10.632) -33.027,10.632 -33.027,10.35 -34.222,10.35 -34.222,21.136